# KiCad board IO256.kicad_pcb
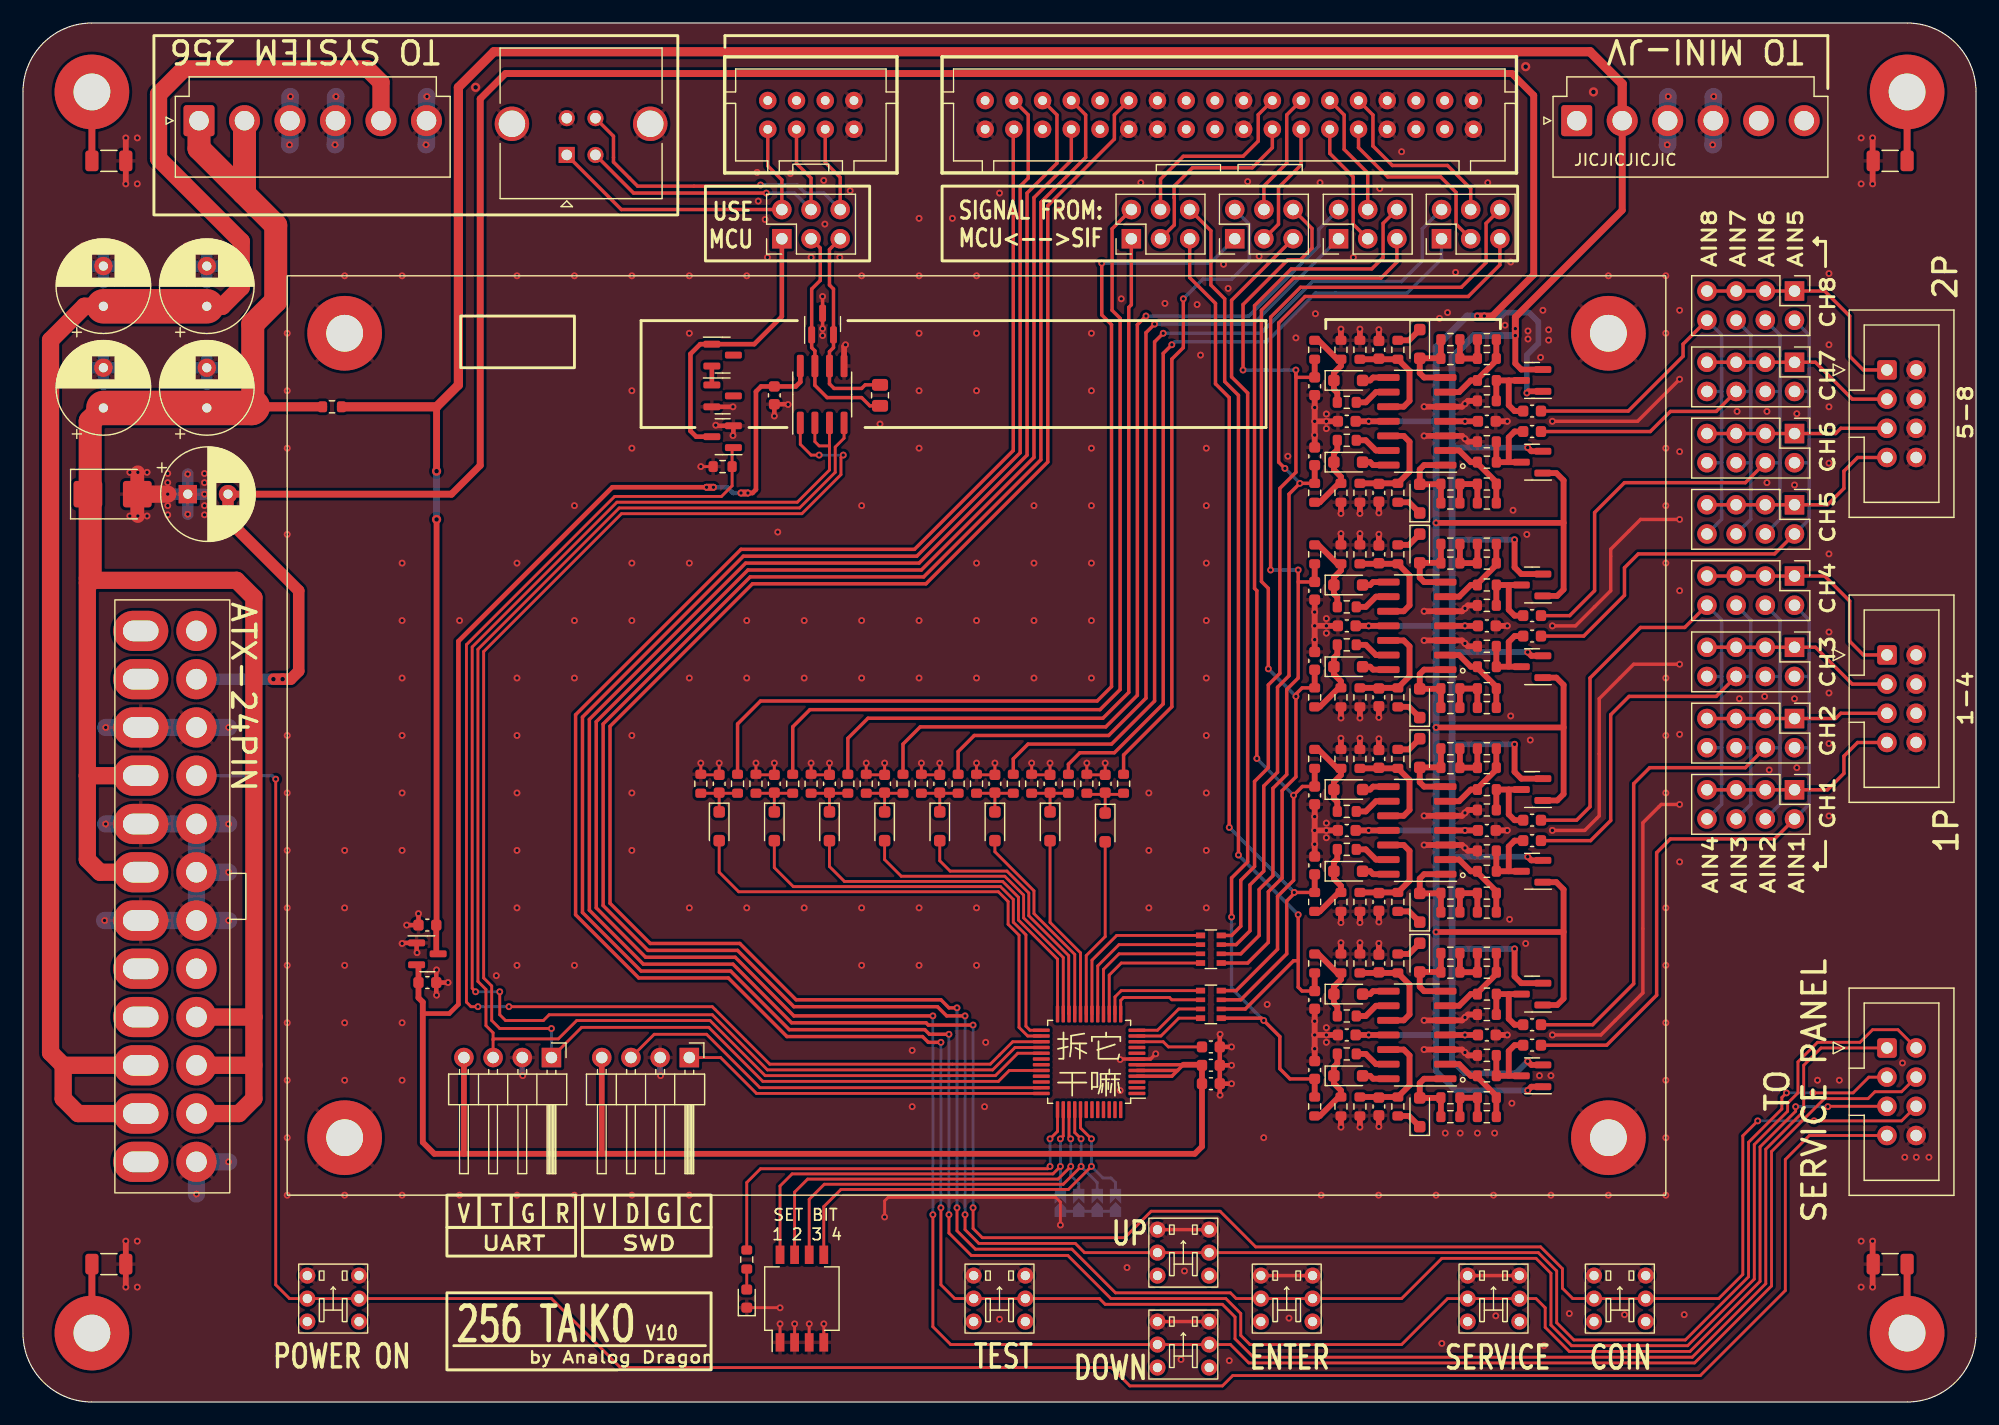
[diagram p0: board, top side]
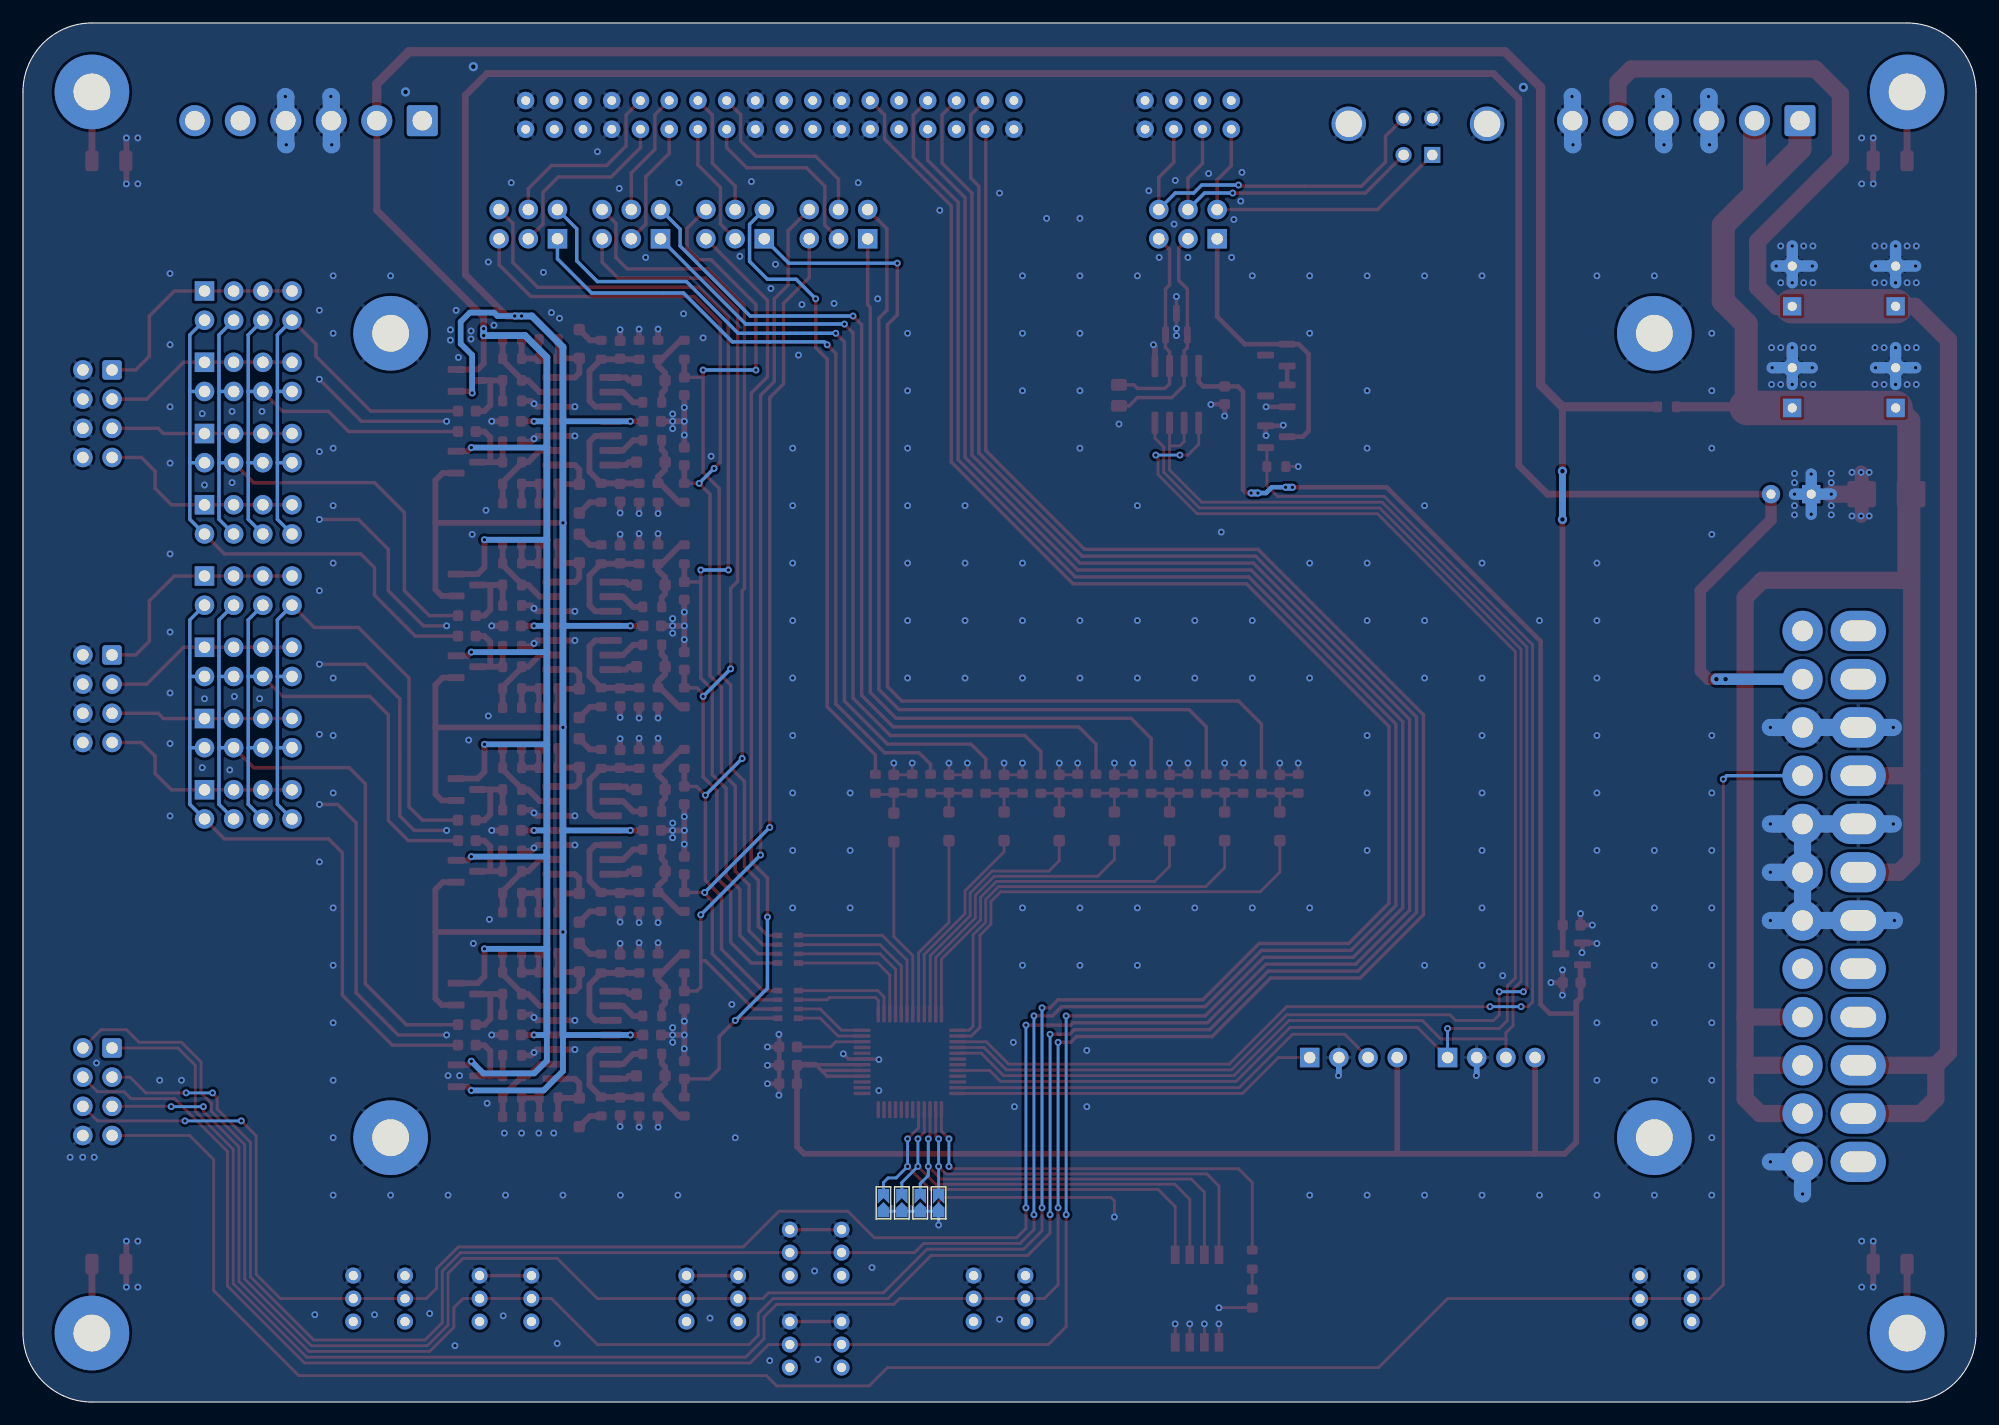
[diagram p1: board, bottom side, seen from below]

Outline 170 x 120 mm; copper layers: Top, Bottom. Coordinates in mm from the lower left corner of the outline.
Outline path: 0,114 0,6 arc(1.76,1.76) 6,0 164,0 arc(168.24,1.76) 170,6 170,114 arc(168.24,118.24) 164,120 6,120 arc(1.76,118.24) 0,114
Stack: Top 0.035mm / dielectric 1.51mm FR4 er 4.5 / Bottom 0.035mm

## Placement (name value [footprint] x y rotation side)
C1  2.2nF/50V  [C_0603_1608Metric]  131.36 84.45 180 top
C2  10uF/16V  [C_0603_1608Metric]  35.2 41.5 180 top
C3  2.2nF/50V  [C_0603_1608Metric]  131.36 86.23 180 top
C4  2.2nF/50V  [C_0603_1608Metric]  131.36 66.65 180 top
C5  2.2nF/50V  [C_0603_1608Metric]  131.36 68.43 180 top
C6  4.7uF/16V  [C_0603_1608Metric]  94.2 53.8 270 top
C7  4.7uF/16V  [C_0603_1608Metric]  89.4 53.8 270 top
C8  4.7uF/16V  [C_0603_1608Metric]  84.6 53.8 270 top
C9  4.7uF/16V  [C_0603_1608Metric]  79.8 53.8 270 top
C10  4.7uF/16V  [C_0603_1608Metric]  118.02 79.12 90 top
C11  4.7uF/16V  [C_0603_1608Metric]  118.02 91.56 270 top
C12  4.7uF/16V  [C_0603_1608Metric]  118.02 61.32 90 top
C13  22uF/6.3V  [C_0603_1608Metric]  35.2 36.5 0 top
C14  470uF/25V  [CP_Radial_D8.0mm_P3.50mm]  7 95.35 90 top
C15  4.7uF/16V  [C_0603_1608Metric]  118.02 73.76 270 top
C16  2.2nF/50V  [C_0603_1608Metric]  131.36 48.85 180 top
C17  4.7uF/16V  [C_0603_1608Metric]  75 53.8 270 top
C18  4.7uF/16V  [C_0603_1608Metric]  70.2 53.8 270 top
C19  4.7uF/16V  [C_0603_1608Metric]  65.4 53.8 270 top
C20  4.7uF/16V  [C_0603_1608Metric]  60.6 53.8 270 top
C21  2.2nF/50V  [C_0603_1608Metric]  131.36 50.63 180 top
C22  2.2nF/50V  [C_0603_1608Metric]  131.36 31.05 180 top
C23  2.2nF/50V  [C_0603_1608Metric]  131.36 32.83 180 top
C24  4.7uF/16V  [C_0603_1608Metric]  118.02 43.52 90 top
C25  4.7uF/16V  [C_0603_1608Metric]  118.02 55.96 270 top
C26  4.7uF/16V  [C_0603_1608Metric]  118.02 25.72 90 top
C27  10nF/50V  [C_0603_1608Metric]  112.44 70.59 270 top
C28  10nF/50V  [C_0603_1608Metric]  112.44 34.99 270 top
C29  10nF/50V  [C_0603_1608Metric]  112.44 64.49 90 top
C30  10nF/50V  [C_0603_1608Metric]  112.44 28.89 90 top
C31  10nF/50V  [C_0603_1608Metric]  112.44 88.39 270 top
C32  10nF/50V  [C_0603_1608Metric]  112.44 52.79 270 top
C33  10nF/50V  [C_0603_1608Metric]  112.44 82.29 90 top
C34  10nF/50V  [C_0603_1608Metric]  112.44 46.69 90 top
C35  4.7uF/16V  [C_0603_1608Metric]  118.02 38.16 270 top
C36  100nF/50V  [C_0603_1608Metric]  127.42 85.34 180 top
C37  100nF/50V  [C_0603_1608Metric]  115.23 85.34 180 top
C38  100nF/50V  [C_0603_1608Metric]  127.42 67.54 180 top
C39  10uF/16V  [C_0603_1608Metric]  103.4 27.7 0 top
C40  100nF/50V  [C_0603_1608Metric]  103.4 30.9 0 top
C42  100nF/50V  [C_0603_1608Metric]  103.4 29.3 0 top
C43  100nF/50V  [C_0603_1608Metric]  115.23 67.54 180 top
C44  100nF/50V  [C_0603_1608Metric]  127.42 49.74 180 top
C45  100nF/50V  [C_0603_1608Metric]  115.23 49.74 180 top
C46  100nF/50V  [C_0603_1608Metric]  127.42 31.94 180 top
C47  100nF/50V  [C_0603_1608Metric]  115.23 31.94 180 top
C48  470uF/25V  [CP_Radial_D8.0mm_P3.50mm]  16 95.35 90 top
C49  470uF/25V  [CP_Radial_D8.0mm_P3.50mm]  7 86.5 90 top
C50  470uF/25V  [CP_Radial_D8.0mm_P3.50mm]  16 86.5 90 top
C51  470uF/25V  [CP_Radial_D8.0mm_P3.50mm]  14.35 79 0 top
C52  102/2KV  [C_1206_3216Metric]  162.53 12 180 top
C53  102/2KV  [C_1206_3216Metric]  7.48 12 0 top
C54  102/2KV  [C_1206_3216Metric]  162.53 108 180 top
C55  102/2KV  [C_1206_3216Metric]  7.48 108 0 top
C56  1uF/25V  [C_0603_1608Metric]  65.4 87.6 270 top
D1  1N4148WS  [D_SOD-323_HandSoldering]  94.2 50 270 top
D2  1N4148WS  [D_SOD-323_HandSoldering]  89.4 50.1 270 top
D3  1N4148WS  [D_SOD-323_HandSoldering]  84.6 50.1 270 top
D4  1N4148WS  [D_SOD-323_HandSoldering]  79.8 50.1 270 top
D5  SM712_SOT23  [SOT-23]  69.6 93.8 90 top
D6  1N4148WS  [D_SOD-323_HandSoldering]  75 50.1 270 top
D7  1N4148WS  [D_SOD-323_HandSoldering]  70.2 50.1 270 top
D8  1N4148WS  [D_SOD-323_HandSoldering]  65.4 50.1 270 top
D9  1N4148WS  [D_SOD-323_HandSoldering]  60.6 50.1 270 top
D10  BAT54S/BAV99  [SOT-23]  131.36 81.78 180 top
D11  BAT54S/BAV99  [SOT-23]  131.36 88.9 180 top
D12  BAT54S/BAV99  [SOT-23]  131.36 63.98 180 top
D13  BAT54S/BAV99  [SOT-23]  131.36 71.1 180 top
D14  1N4148WS  [D_SOD-323_HandSoldering]  121.58 78.61 90 top
D15  SKYBLUE_LED  [LED_0603_1608Metric]  63 9 90 top
D16  1N4148WS  [D_SOD-323_HandSoldering]  121.58 92.07 270 top
D17  1N4148WS  [D_SOD-323_HandSoldering]  121.58 60.81 90 top
D18  1N4148WS  [D_SOD-323_HandSoldering]  121.58 74.27 270 top
D19  1N4148WS  [D_SOD-323_HandSoldering]  115.36 81.78 0 top
D20  1N4148WS  [D_SOD-323_HandSoldering]  115.36 88.9 0 top
D21  1N4148WS  [D_SOD-323_HandSoldering]  115.36 63.98 0 top
D22  1N4148WS  [D_SOD-323_HandSoldering]  115.36 71.1 0 top
D23  BAT54S/BAV99  [SOT-23]  131.36 46.18 180 top
D24  BAT54S/BAV99  [SOT-23]  131.36 53.3 180 top
D25  BAT54S/BAV99  [SOT-23]  131.36 28.38 180 top
D26  BAT54S/BAV99  [SOT-23]  131.36 35.5 180 top
D27  1N4148WS  [D_SOD-323_HandSoldering]  121.58 43.01 90 top
D28  1N4148WS  [D_SOD-323_HandSoldering]  121.58 56.47 270 top
D29  1N4148WS  [D_SOD-323_HandSoldering]  121.58 25.21 90 top
D30  1N4148WS  [D_SOD-323_HandSoldering]  121.58 38.67 270 top
D31  1N4148WS  [D_SOD-323_HandSoldering]  115.36 46.18 0 top
D32  1N4148WS  [D_SOD-323_HandSoldering]  115.36 53.3 0 top
D33  1N4148WS  [D_SOD-323_HandSoldering]  115.36 28.38 0 top
D34  1N4148WS  [D_SOD-323_HandSoldering]  115.36 35.5 0 top
D35  BAT54S/BAV99  [SOT-23]  60.9 87.55 0 top
D36  BAT54S/BAV99  [SOT-23]  60.9 91.1 0 top
D37  SMBJ5.0A  [D_SMB]  7.8 79 0 top
FB1  120R/100M  [R_0603_1608Metric]  26.9 86.6 0 top
H1  MINI-JV  [MountingHole_3.2mm_M3_DIN965_Pad#2]  28 93 0 top
H2  MINI-JV  [MountingHole_3.2mm_M3_DIN965_Pad]  164 6 0 top
H3  MINI-JV  [MountingHole_3.2mm_M3_DIN965_Pad#4]  5 5 0 top
H4  MINI-JV  [MountingHole_3.2mm_M3_DIN965_Pad#3]  165 115 0 top
H5  MINI-JV  [MountingHole_3.2mm_M3_DIN965_Pad#5]  5 115 0 top
J1  Conn_02x04_Odd_Even  [B08B-XADSS-N-A]  68.58 112 0 top
J3  Conn_01x06  [JST_VH_B6P-VH_1x06_P3.96mm_Vertical]  135.24 111.5 0 top
J4  Conn_02x18_Odd_Even  [B36B-XADSS-N-A]  105 112 0 top
J5  Conn_02x04_Counter_Clockwise  [IDC-Header_2x04_P2.54mm_Vertical]  162.25 30.81 0 top
J6  ATX-24  [5557-2x12]  13 44 270 top
J7  Conn_02x04_Counter_Clockwise  [IDC-Header_2x04_P2.54mm_Vertical]  162.25 65.01 0 top
J8  Conn_02x04_Counter_Clockwise  [IDC-Header_2x04_P2.54mm_Vertical]  162.25 89.81 0 top
J9  Conn_02x04_Counter_Clockwise  [PinHeader_2x04_P2.54mm_Vertical]  154.2 53.28 270 top
J10  Conn_02x04_Counter_Clockwise  [PinHeader_2x04_P2.54mm_Vertical]  154.2 59.47 270 top
J11  Conn_02x04_Counter_Clockwise  [PinHeader_2x04_P2.54mm_Vertical]  154.2 71.88 270 top
J12  Conn_02x04_Counter_Clockwise  [PinHeader_2x04_P2.54mm_Vertical]  154.2 65.67 270 top
J13  Conn_02x04_Counter_Clockwise  [PinHeader_2x04_P2.54mm_Vertical]  154.2 96.67 270 top
J14  Conn_02x04_Counter_Clockwise  [PinHeader_2x04_P2.54mm_Vertical]  154.2 90.47 270 top
J15  Conn_02x04_Counter_Clockwise  [PinHeader_2x04_P2.54mm_Vertical]  154.2 84.28 270 top
J16  Conn_02x04_Counter_Clockwise  [PinHeader_2x04_P2.54mm_Vertical]  154.2 78.08 270 top
J17  Conn_01x04  [PinHeader_1x04_P2.54mm_Horizontal]  46 29.97 270 top
J18  Conn_02x03_Odd_Even  [PinHeader_2x03_P2.54mm_Vertical]  96.47 101.22 90 top
J19  Conn_02x03_Odd_Even  [PinHeader_2x03_P2.54mm_Vertical]  105.47 101.22 90 top
J20  Conn_02x03_Odd_Even  [PinHeader_2x03_P2.54mm_Vertical]  114.51 101.22 90 top
J21  Conn_01x04  [PinHeader_1x04_P2.54mm_Horizontal]  58 29.97 270 top
J22  Conn_02x02_Odd_Even  [PinHeader_2x03_P2.54mm_Vertical]  66.06 101.22 90 top
J23  Conn_02x03_Odd_Even  [PinHeader_2x03_P2.54mm_Vertical]  123.47 101.22 90 top
J102  USB_B  [USB_B_TE_5787834_Vertical]  47.33 108.52 180 top
J103  Conn_01x06  [JST_VH_B6P-VH_1x06_P3.96mm_Vertical]  15.32 111.5 0 top
JP1  Jumper_2_Open  [JP_0603]  90.3 17.32 90 bottom
JP2  Jumper_2_Open  [JP_0603]  91.9 17.32 90 bottom
JP3  Jumper_2_Open  [JP_0603]  93.5 17.32 90 bottom
JP4  Jumper_2_Open  [JP_0603]  95.1 17.32 90 bottom
Q2  AO3400A  [SOT-23]  60.9 84 180 top
R1  1M  [R_0603_1608Metric]  127.42 83.56 180 top
R2  4.7K  [R_0603_1608Metric]  92.6 53.8 270 top
R3  4.7K  [R_0603_1608Metric]  87.8 53.8 270 top
R4  4.7K  [R_0603_1608Metric]  83 53.8 270 top
R5  4.7K  [R_0603_1608Metric]  78.2 53.8 270 top
R6  1M  [R_0603_1608Metric]  127.42 87.12 180 top
R7  220  [R_0603_1608Metric]  95.8 53.8 270 top
R8  220  [R_0603_1608Metric]  91 53.8 270 top
R9  220  [R_0603_1608Metric]  86.2 53.8 270 top
R10  220  [R_0603_1608Metric]  81.4 53.8 270 top
R11  120R  [R_0805_2012Metric]  74.6 87.6 90 top
R12  4.7K  [R_0603_1608Metric]  60.9 81.4 180 top
R13  1M  [R_0603_1608Metric]  127.42 65.76 180 top
R14  1M  [R_0603_1608Metric]  127.42 69.32 180 top
R15  4.7K  [R_0603_1608Metric]  73.4 53.8 270 top
R16  4.7K  [R_0603_1608Metric]  68.6 53.8 270 top
R17  4.7K  [R_0603_1608Metric]  63.8 53.8 270 top
R18  4.7K  [R_0603_1608Metric]  59 53.8 270 top
R19  220  [R_0603_1608Metric]  76.6 53.8 270 top
R20  220  [R_0603_1608Metric]  71.8 53.8 270 top
R21  220  [R_0603_1608Metric]  67 53.8 270 top
R22  220  [R_0603_1608Metric]  62.2 53.8 270 top
R23  1K  [R_0603_1608Metric]  112.44 79.12 90 top
R24  1K  [R_0603_1608Metric]  112.44 91.56 270 top
R25  1K  [R_0603_1608Metric]  112.44 61.32 90 top
R26  1K  [R_0603_1608Metric]  112.44 73.76 270 top
R27  1K  [R_0603_1608Metric]  112.44 43.52 90 top
R28  1K  [R_0603_1608Metric]  112.44 55.96 270 top
R29  1K  [R_0603_1608Metric]  112.44 25.72 90 top
R30  1K  [R_0603_1608Metric]  112.44 38.16 270 top
R31  3.3K  [R_0603_1608Metric]  127.42 81.78 180 top
R32  3.3K  [R_0603_1608Metric]  127.42 88.9 180 top
R33  3.3K  [R_0603_1608Metric]  127.42 63.98 180 top
R34  3.3K  [R_0603_1608Metric]  127.42 71.1 180 top
R35  4.7K  [R_0603_1608Metric]  63 12.4 90 top
R36  200K  [R_0603_1608Metric]  127.42 79.88 180 top
R37  NC  [R_0603_1608Metric]  127.42 78.23 180 top
R38  200K  [R_0603_1608Metric]  127.42 90.8 180 top
R39  NC  [R_0603_1608Metric]  127.42 92.45 180 top
R40  200K  [R_0603_1608Metric]  127.42 62.08 180 top
R41  NC  [R_0603_1608Metric]  127.42 60.43 180 top
R42  200K  [R_0603_1608Metric]  127.42 73 180 top
R43  NC  [R_0603_1608Metric]  127.42 74.65 180 top
R44  200K  [R_0603_1608Metric]  124.25 79.88 180 top
R45  0R  [R_0603_1608Metric]  124.25 78.23 180 top
R46  200K  [R_0603_1608Metric]  124.25 90.8 180 top
R47  0R  [R_0603_1608Metric]  124.25 92.45 180 top
R48  200K  [R_0603_1608Metric]  124.25 62.08 180 top
R49  0R  [R_0603_1608Metric]  124.25 60.43 180 top
R50  200K  [R_0603_1608Metric]  124.25 73 180 top
R51  0R  [R_0603_1608Metric]  124.25 74.65 180 top
R52  47R  [R_0603_1608Metric]  119.67 79.12 90 top
R53  47R  [R_0603_1608Metric]  119.67 91.56 270 top
R54  47R  [R_0603_1608Metric]  119.67 61.32 90 top
R55  47R  [R_0603_1608Metric]  119.67 73.76 270 top
R56  4.7K  [R_0603_1608Metric]  116.37 79.12 90 top
R57  4.7K  [R_0603_1608Metric]  116.37 91.56 270 top
R58  4.7K  [R_0603_1608Metric]  116.37 61.32 90 top
R59  4.7K  [R_0603_1608Metric]  116.37 73.76 270 top
R60  10K  [R_0603_1608Metric]  115.23 83.69 0 top
R61  10K  [R_0603_1608Metric]  115.23 86.99 0 top
R62  10K  [R_0603_1608Metric]  115.23 65.89 0 top
R63  10K  [R_0603_1608Metric]  115.23 69.19 0 top
R64  1K  [R_0603_1608Metric]  114.72 79.12 270 top
R65  1K  [R_0603_1608Metric]  114.72 91.56 90 top
R66  1K  [R_0603_1608Metric]  114.72 61.32 270 top
R67  1K  [R_0603_1608Metric]  114.72 73.76 90 top
R68  1M  [R_0603_1608Metric]  127.42 47.96 180 top
R69  1M  [R_0603_1608Metric]  127.42 51.52 180 top
R70  1M  [R_0603_1608Metric]  127.42 30.16 180 top
R71  1M  [R_0603_1608Metric]  127.42 33.72 180 top
R72  3.3K  [R_0603_1608Metric]  127.42 46.18 180 top
R73  3.3K  [R_0603_1608Metric]  127.42 53.3 180 top
R74  3.3K  [R_0603_1608Metric]  127.42 28.38 180 top
R75  3.3K  [R_0603_1608Metric]  127.42 35.5 180 top
R76  200K  [R_0603_1608Metric]  127.42 44.28 180 top
R77  NC  [R_0603_1608Metric]  127.42 42.63 180 top
R78  200K  [R_0603_1608Metric]  127.42 55.2 180 top
R79  NC  [R_0603_1608Metric]  127.42 56.85 180 top
R80  200K  [R_0603_1608Metric]  127.42 26.48 180 top
R81  NC  [R_0603_1608Metric]  127.42 24.83 180 top
R82  200K  [R_0603_1608Metric]  127.42 37.4 180 top
R83  NC  [R_0603_1608Metric]  127.42 39.05 180 top
R84  200K  [R_0603_1608Metric]  124.25 44.28 180 top
R85  0R  [R_0603_1608Metric]  124.25 42.63 180 top
R86  200K  [R_0603_1608Metric]  124.25 55.2 180 top
R87  0R  [R_0603_1608Metric]  124.25 56.85 180 top
R88  200K  [R_0603_1608Metric]  124.25 26.48 180 top
R89  0R  [R_0603_1608Metric]  124.25 24.83 180 top
R90  200K  [R_0603_1608Metric]  124.25 37.4 180 top
R91  0R  [R_0603_1608Metric]  124.25 39.05 180 top
R92  47R  [R_0603_1608Metric]  119.67 43.52 90 top
R93  47R  [R_0603_1608Metric]  119.67 55.96 270 top
R94  47R  [R_0603_1608Metric]  119.67 25.72 90 top
R95  47R  [R_0603_1608Metric]  119.67 38.16 270 top
R96  4.7K  [R_0603_1608Metric]  116.37 43.52 90 top
R97  4.7K  [R_0603_1608Metric]  116.37 55.96 270 top
R98  4.7K  [R_0603_1608Metric]  116.37 25.72 90 top
R99  4.7K  [R_0603_1608Metric]  116.37 38.16 270 top
R100  10K  [R_0603_1608Metric]  115.23 48.09 0 top
R101  10K  [R_0603_1608Metric]  115.23 51.39 0 top
R102  10K  [R_0603_1608Metric]  115.23 30.29 0 top
R103  10K  [R_0603_1608Metric]  115.23 33.59 0 top
R104  1K  [R_0603_1608Metric]  114.72 43.52 270 top
R105  1K  [R_0603_1608Metric]  114.72 55.96 90 top
R106  1K  [R_0603_1608Metric]  114.72 25.72 270 top
R107  1K  [R_0603_1608Metric]  114.72 38.16 90 top
RN1  10K  [R_Array_Convex_4x0603]  103.4 34.6 0 top
RN2  10K  [R_Array_Convex_4x0603]  103.4 39.4 0 top
SW1  SW_Push_DPDT  [switch_6x6]  85 9 90 top
SW2  SW_Push_DPDT  [switch_6x6]  128 9 90 top
SW3  SW_Push_DPDT  [switch_6x6]  139 9 90 top
SW4  SW_Push_DPDT  [switch_6x6]  101 13 90 top
SW5  SW_Push_DPDT  [switch_6x6]  110 9 90 top
SW6  SW_Push_DPDT  [switch_6x6]  101 5 90 top
SW7  SW_DIP_x04  [SW_DIP_SPSTx04_Slide_Copal_CHS-04B_W7.62mm_P1.27mm]  67.8 9 90 top
SW8  SW_Push_DPDT  [switch_6x6]  27 9 90 top
U1  XC6206P332MR  [SOT-23]  35.2 39 0 top
U2  SP3485  [SOIC-8_3.9x4.9mm_P1.27mm]  69.56 87.67 90 top
U3  TL084C  [SO-14_3.9x8.65mm_P1.27mm]  121.32 85.34 180 top
U4  TL084C  [SO-14_3.9x8.65mm_P1.27mm]  121.32 67.54 180 top
U5  TL084C  [SO-14_3.9x8.65mm_P1.27mm]  121.32 49.74 180 top
U6  STM32G030C  [LQFP-48_7x7mm_P0.5mm]  92.8 29.6 180 top
U7  TL084C  [SO-14_3.9x8.65mm_P1.27mm]  121.32 31.94 180 top

## Library data of the parts
C1-C13 C15-C40 C42-C47 C52-C56 = -: Description: Unpolarized capacitor
C14 C48-C51 = -: Description: Polarized capacitor
D1-D4 D6-D9 D14 D16-D22 D27-D34 = -: Description: 75V 0.15A Fast switching Diode, SOD-323
D5 = -: Description: 7V/12V, 600W Asymmetrical TVS Diode Array, SOT-23
D10-D13 D23-D26 D35 D36 = -: Description: schottky barrier diode
D15 = -: Description: Light emitting diode
D37 = -: Description: Zener diode
FB1 = -: Description: Ferrite bead
H1-H5 = -: Description: Mounting Hole with connection
J1 J5 J7-J16 = -: Description: Generic connector, double row, 02x04, odd/even pin numbering scheme (row 1 odd numbers, row 2 even numbers), script generated (kicad-library-utils/schlib/autogen/connector/)
J3 J103 = -: Description: Generic connector, single row, 01x06, script generated (kicad-library-utils/schlib/autogen/connector/)
J4 = -: Description: Generic connector, double row, 02x18, odd/even pin numbering scheme (row 1 odd numbers, row 2 even numbers), script generated (kicad-library-utils/schlib/autogen/connector/)
J6 = -: Description: ATX Power supply 24pins
J17 J21 = -: Description: Generic connector, single row, 01x04, script generated (kicad-library-utils/schlib/autogen/connector/)
J18-J20 J22 J23 = -: Description: Generic connector, double row, 02x03, odd/even pin numbering scheme (row 1 odd numbers, row 2 even numbers), script generated (kicad-library-utils/schlib/autogen/connector/)
J102 = -: Description: USB Type B connector
JP1-JP4 = -: Description: Jumper, 2-pole, open
Q2 = -: Description: 30V Vds, 5.7A Id, N-Channel MOSFET, SOT-23
R1-R107 = -: Description: Resistor
RN1 RN2 = -: Description: 4 resistor network, parallel topology
SW1-SW6 SW8 = -: Description: Momentary Switch, dual pole double throw
SW7 = -: Description: 4x DIP Switch, Single Pole Single Throw (SPST) switch, small symbol
U1 = -: Description: Positive 60-250mA Low Dropout Regulator, Fixed Output, SOT-23
U2 = -: Description: Half duplex RS-485/RS-422, 2.5 Mbps, ±15kV electro-static discharge (ESD) protection, no slew-rate, no low-power shutdown, with receiver/driver enable, 32 receiver drive kapacitity, DIP-8 and SOIC-8
U3-U5 U7 = -: Description: Quad JFET-Input Operational Amplifiers, DIP-14/SOIC-14/SSOP-14

## Footprints (pads in the part's own frame, mm; a bottom-side part is the same pattern mirrored in y, then rotated)
5557-2x12
  oval 3.5x4.8 hole 1.8x3.1: 1(-23.1,-2.75) 2(-18.9,-2.75) 3(-14.7,-2.75) 4(-10.5,-2.75) 5(-6.3,-2.75) 6(-2.1,-2.75) 7(2.1,-2.75) 8(6.3,-2.75) 9(10.5,-2.75) 10(14.7,-2.75) 11(18.9,-2.75) 12(23.1,-2.75)
  round 3.5 hole 1.8: 13(-23.1,2.1) 14(-18.9,2.1) 15(-14.7,2.1) 16(-10.5,2.1) 17(-6.3,2.1) 18(-2.1,2.1) 19(2.1,2.1) 20(6.3,2.1) 21(10.5,2.1) 22(14.7,2.1) 23(18.9,2.1) 24(23.1,2.1)
B08B-XADSS-N-A
  round 1.524 hole 0.762: 1(-3.75,1.25) 2(-3.75,-1.25) 3(-1.25,1.25) 4(-1.25,-1.25) 5(1.25,1.25) 6(1.25,-1.25) 7(3.75,1.25) 8(3.75,-1.25)
B36B-XADSS-N-A
  round 1.524 hole 0.762: 1(-21.25,1.25) 2(-21.25,-1.25) 3(-18.75,1.25) 4(-18.75,-1.25) 5(-16.25,1.25) 6(-16.25,-1.25) 7(-13.75,1.25) 8(-13.75,-1.25) 9(-11.25,1.25) 10(-11.25,-1.25) 11(-8.75,1.25) 12(-8.75,-1.25) 13(-6.25,1.25) 14(-6.25,-1.25) 15(-3.75,1.25) 16(-3.75,-1.25) 17(-1.25,1.25) 18(-1.25,-1.25) 19(1.25,1.25) 20(1.25,-1.25) 21(3.75,1.25) 22(3.75,-1.25) 23(6.25,1.25) 24(6.25,-1.25) 25(8.75,1.25) 26(8.75,-1.25) 27(11.25,1.25) 28(11.25,-1.25) 29(13.75,1.25) 30(13.75,-1.25) 31(16.25,1.25) 32(16.25,-1.25) 33(18.75,1.25) 34(18.75,-1.25) 35(21.25,1.25) 36(21.25,-1.25)
C_0603_1608Metric
  rrect 0.9x0.95 smd: 1(-0.775,0) 2(0.775,0)
C_1206_3216Metric
  rrect 1.15x1.8 smd: 1(-1.475,0) 2(1.475,0)
CP_Radial_D8.0mm_P3.50mm
  rect 1.6x1.6 hole 0.8: 1(0,0)
  round 1.6 hole 0.8: 2(3.5,0)
D_SMB
  rrect 2.5x2.3 smd: 1(-2.15,0) 2(2.15,0)
D_SOD-323_HandSoldering
  rrect 1x1 smd: 1(-1.25,0) 2(1.25,0)
IDC-Header_2x04_P2.54mm_Vertical
  rrect 1.7x1.7 hole 1: 1(0,0)
  round 1.7 hole 1: 2(2.54,0) 3(0,-2.54) 4(2.54,-2.54) 5(0,-5.08) 6(2.54,-5.08) 7(0,-7.62) 8(2.54,-7.62)
JP_0603
  custom 1.3x1 smd: 1(-0.725,0) 2(0.725,0)
JST_VH_B6P-VH_1x06_P3.96mm_Vertical
  rrect 2.7x2.7 hole 1.7: 1(0,0)
  round 2.7 hole 1.7: 2(3.96,0) 3(7.92,0) 4(11.88,0) 5(15.84,0) 6(19.8,0)
LED_0603_1608Metric
  rrect 0.875x0.95 smd: 1(-0.787,0) 2(0.787,0)
LQFP-48_7x7mm_P0.5mm
  rrect 1.475x0.3 smd: 1(-4.162,2.75) 2(-4.162,2.25) 3(-4.162,1.75) 4(-4.162,1.25) 5(-4.162,0.75) 6(-4.162,0.25) 7(-4.162,-0.25) 8(-4.162,-0.75) 9(-4.162,-1.25) 10(-4.162,-1.75) 11(-4.162,-2.25) 12(-4.162,-2.75) 25(4.162,-2.75) 26(4.162,-2.25) 27(4.162,-1.75) 28(4.162,-1.25) 29(4.162,-0.75) 30(4.162,-0.25) 31(4.162,0.25) 32(4.162,0.75) 33(4.162,1.25) 34(4.162,1.75) 35(4.162,2.25) 36(4.162,2.75)
  rrect 0.3x1.475 smd: 13(-2.75,-4.162) 14(-2.25,-4.162) 15(-1.75,-4.162) 16(-1.25,-4.162) 17(-0.75,-4.162) 18(-0.25,-4.162) 19(0.25,-4.162) 20(0.75,-4.162) 21(1.25,-4.162) 22(1.75,-4.162) 23(2.25,-4.162) 24(2.75,-4.162) 37(2.75,4.162) 38(2.25,4.162) 39(1.75,4.162) 40(1.25,4.162) 41(0.75,4.162) 42(0.25,4.162) 43(-0.25,4.162) 44(-0.75,4.162) 45(-1.25,4.162) 46(-1.75,4.162) 47(-2.25,4.162) 48(-2.75,4.162)
MountingHole_3.2mm_M3_DIN965_Pad
  round 6.5 hole 3.2: 1(0,0)
MountingHole_3.2mm_M3_DIN965_Pad#2
  round 6.5 hole 3.2: 1(0,0) 1(0,-70) 1(110,0) 1(110,-70)
MountingHole_3.2mm_M3_DIN965_Pad#3